# KiCad board LR312.kicad_pcb
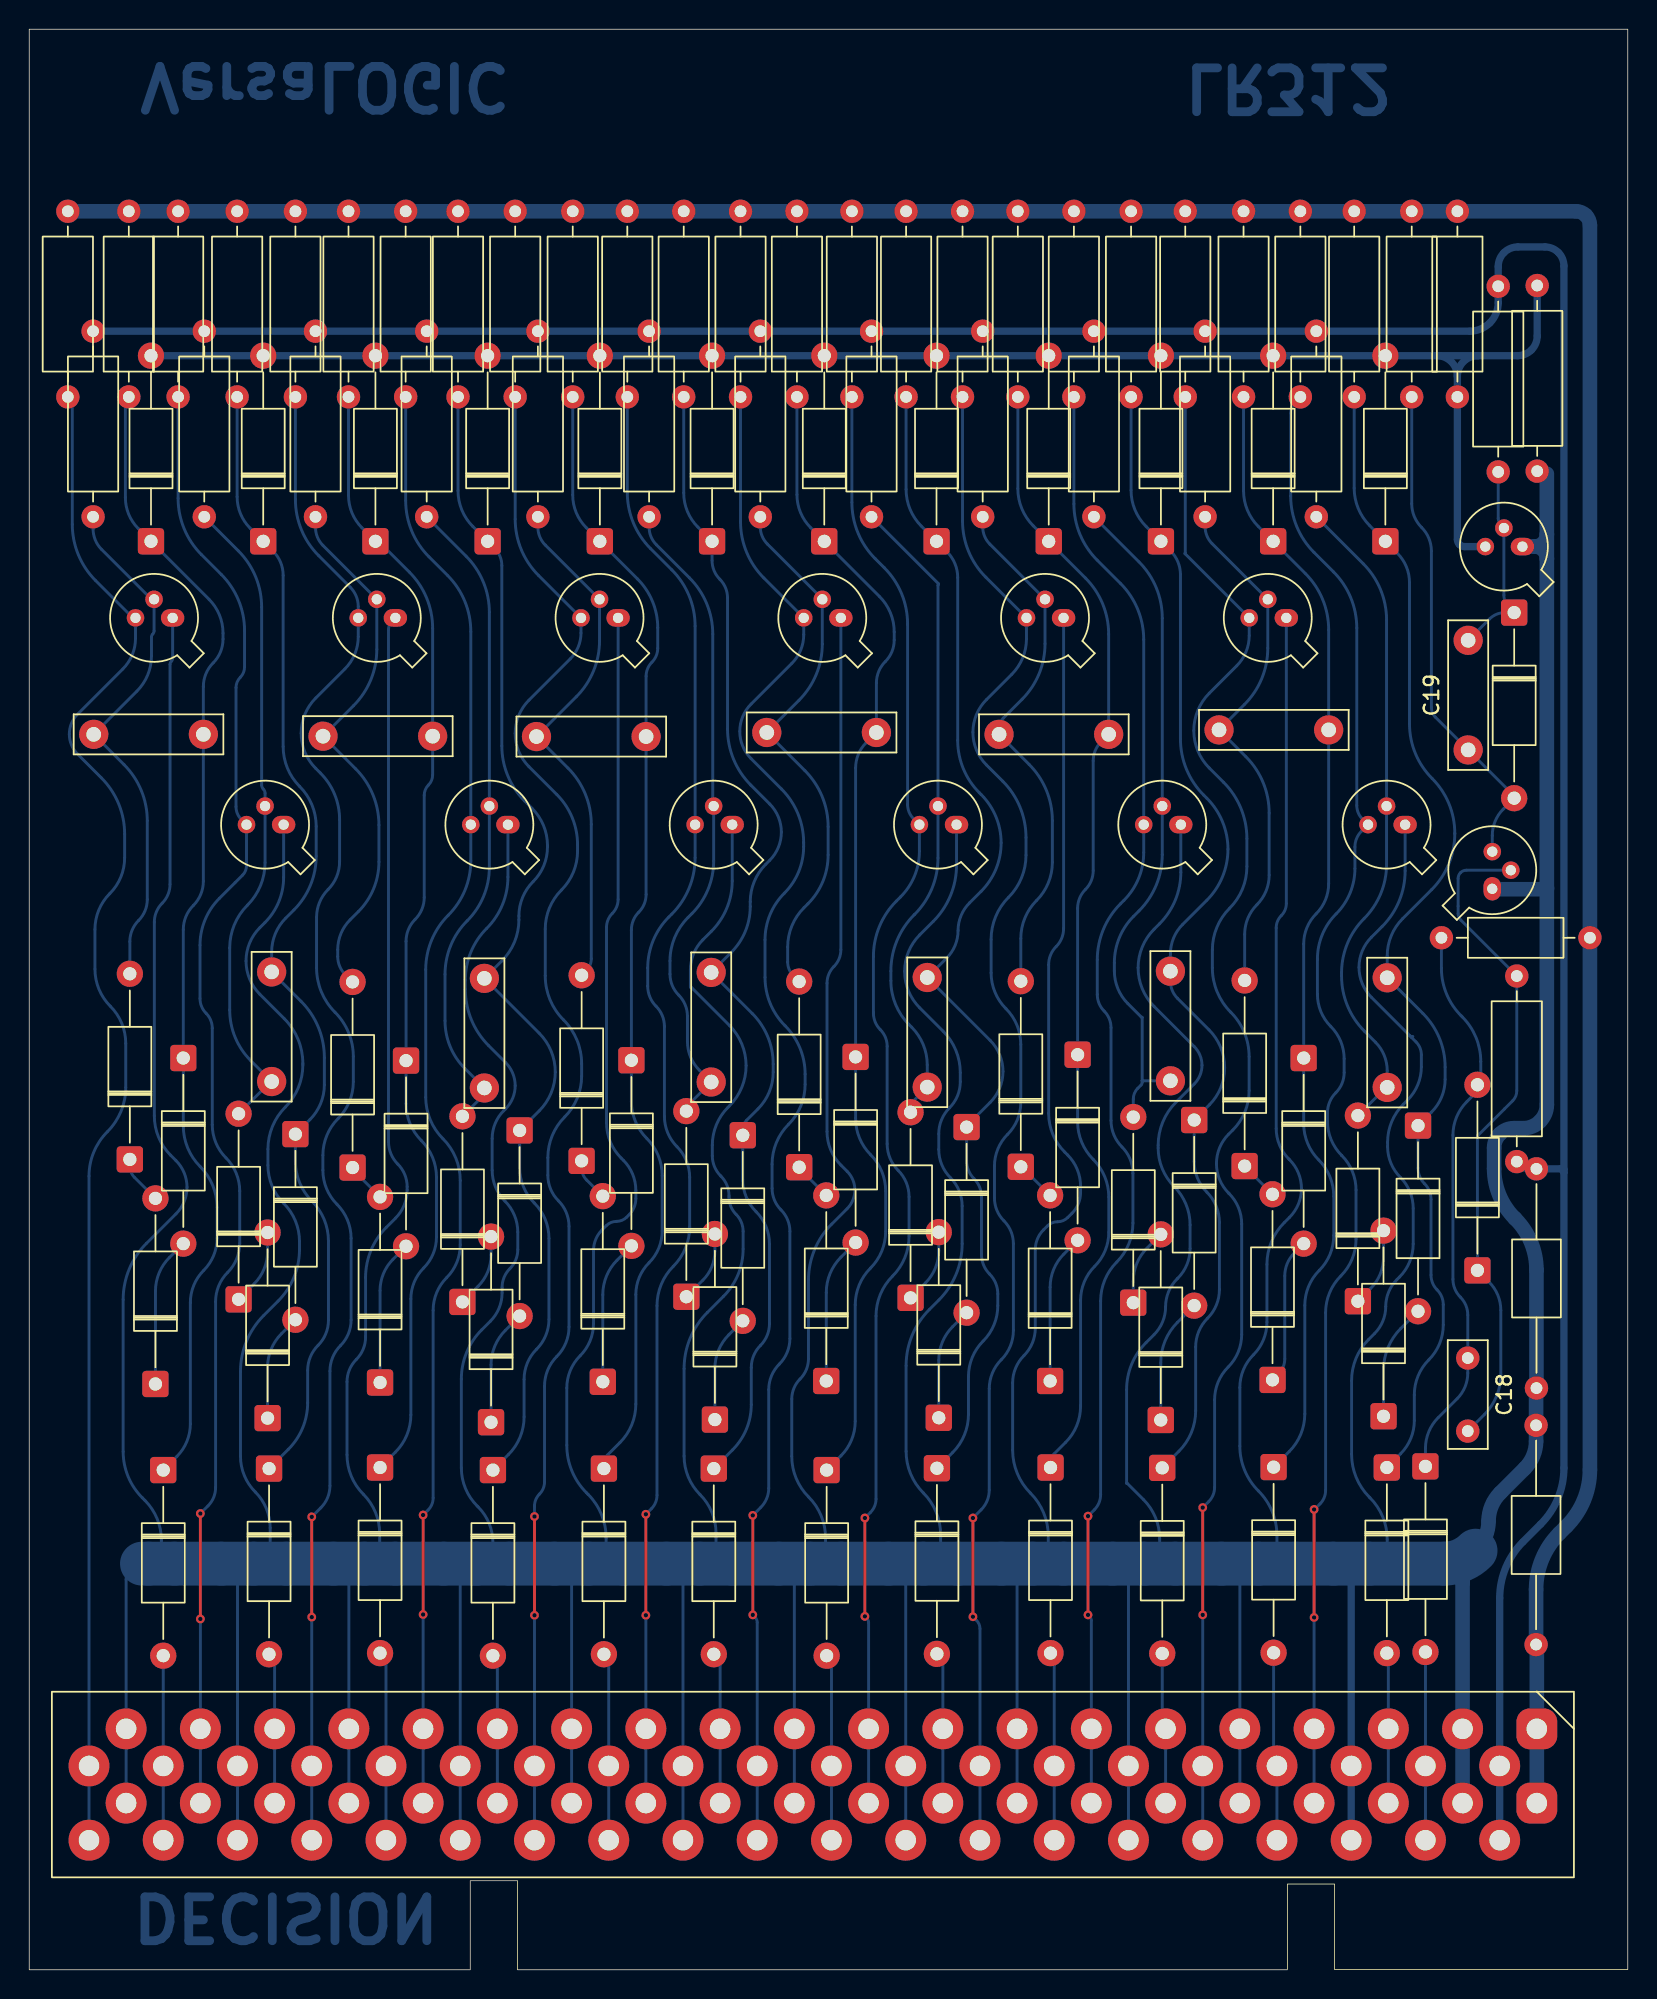
[diagram p0: board, top side]
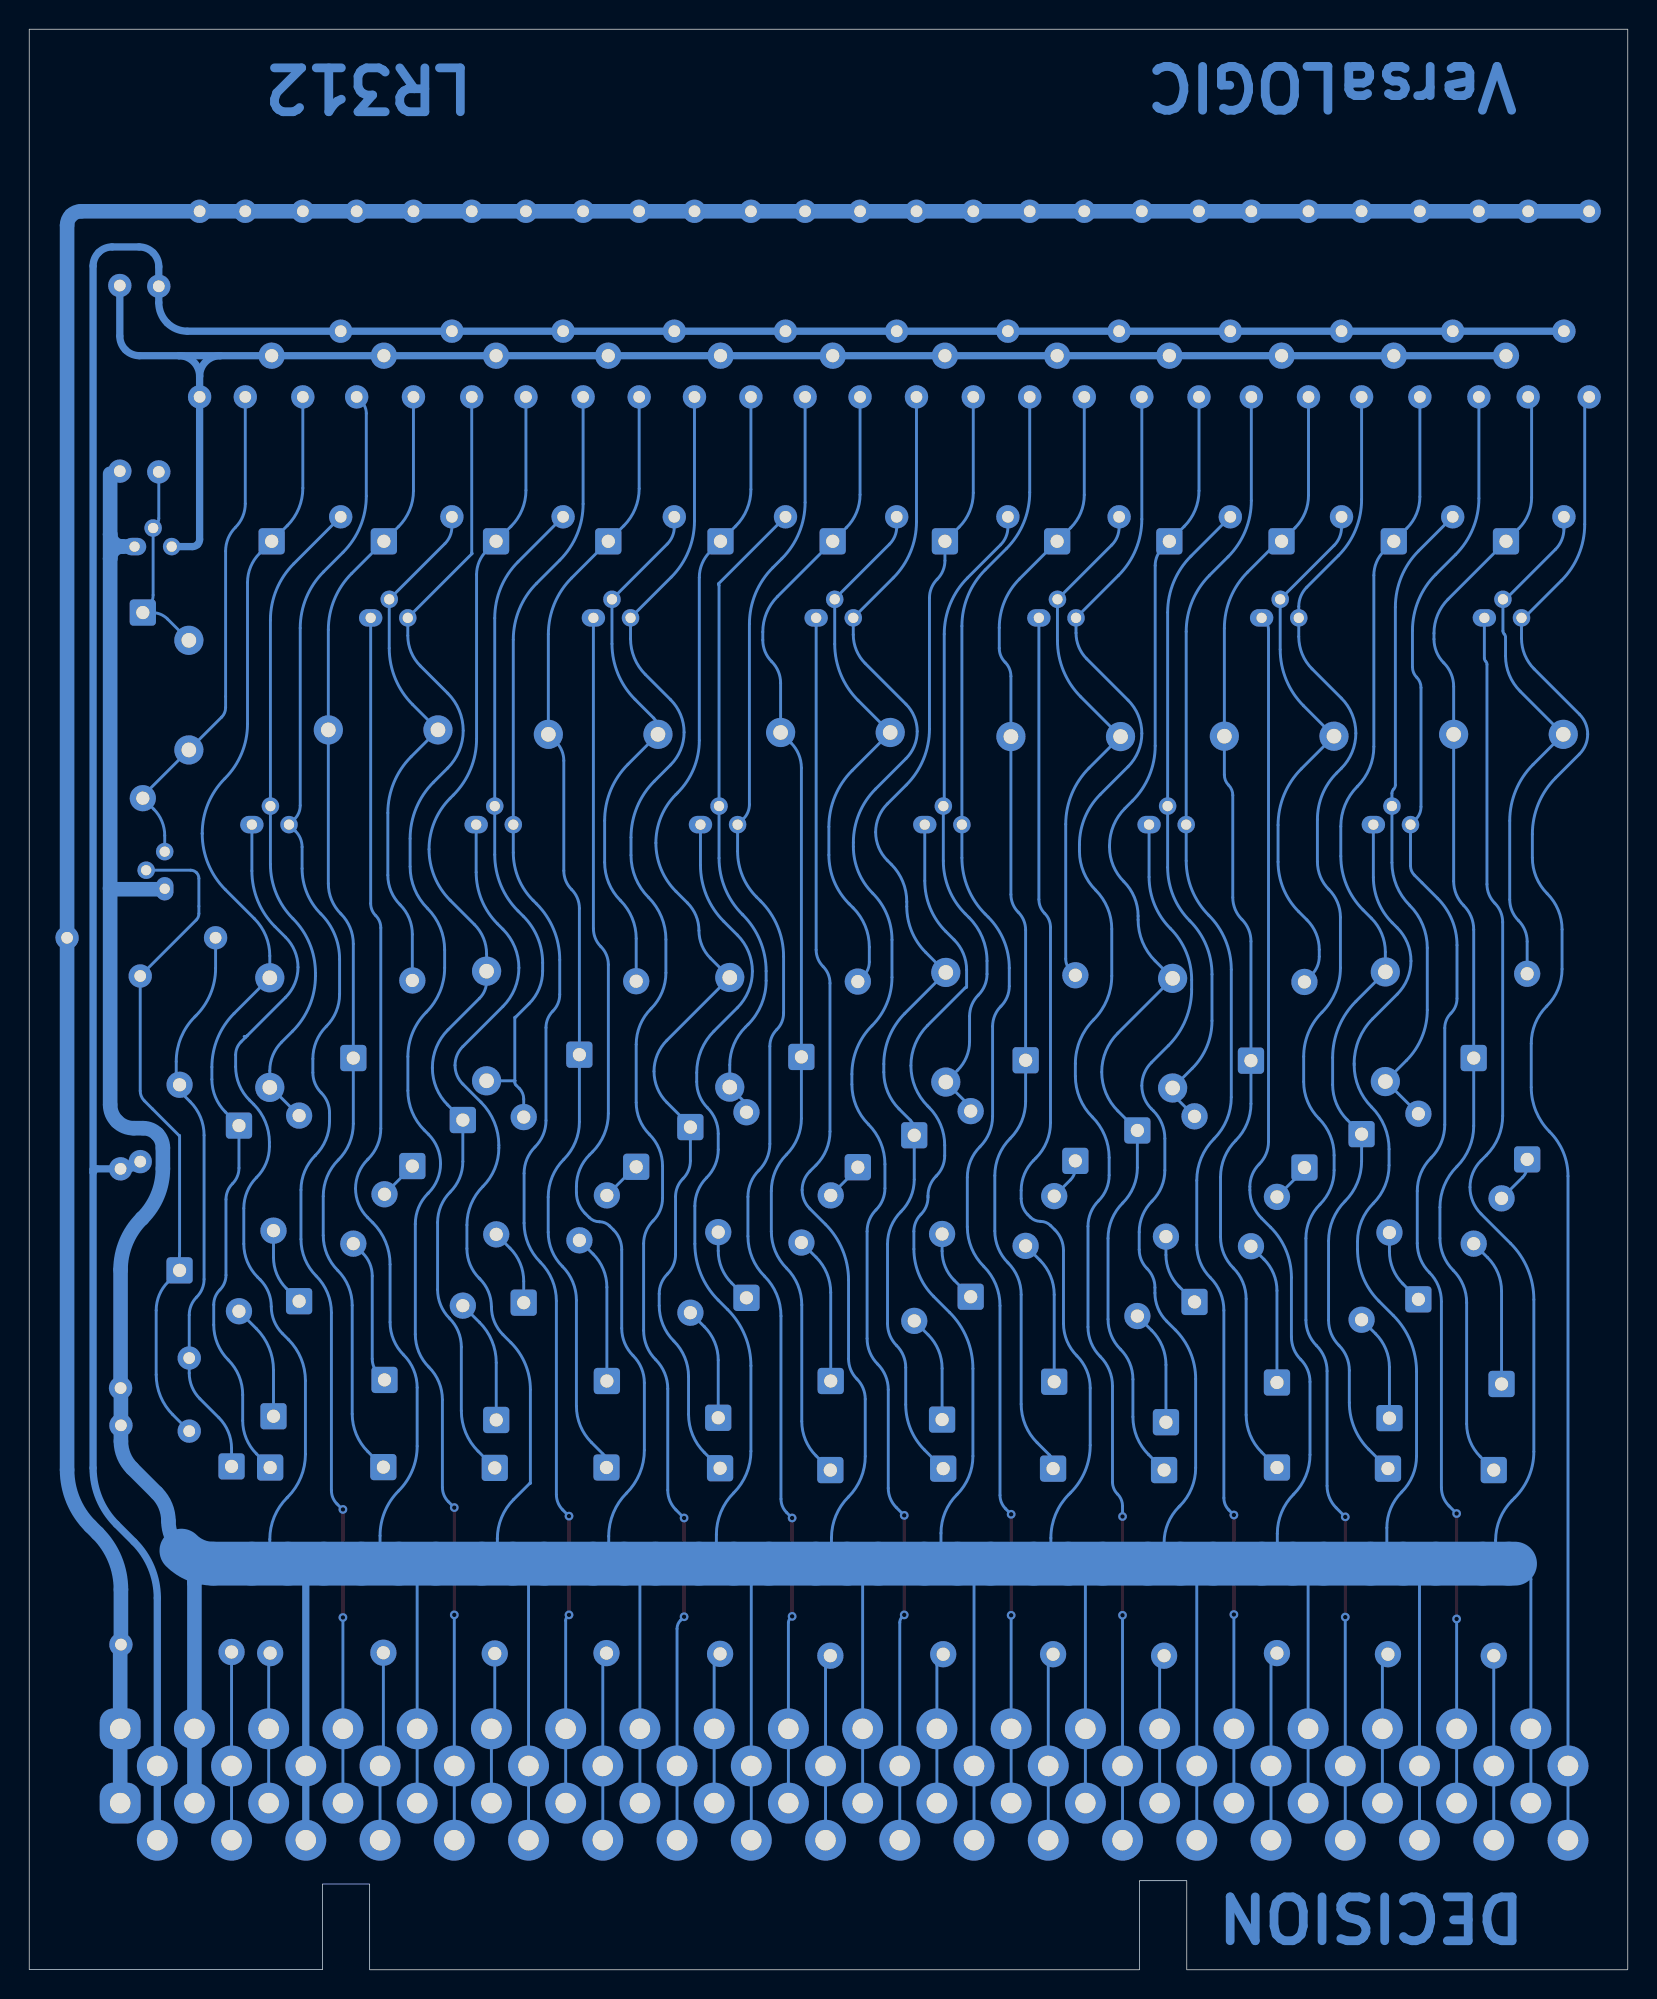
[diagram p1: board, bottom side, seen from below]

Outline 109.37 x 132.78 mm; copper layers: Top, Bottom. Coordinates in mm from the lower left corner of the outline.
Outline path: 109.37,132.78 0,132.78 0,0.01 0.01,0 30.18,0 30.18,6.1 33.4,6.1 33.4,0.01 33.42,0 86.08,0 86.08,5.87 89.31,5.87 89.31,0.02 109.37,0.01 109.37,132.77 closed
Stack: Top 0.035mm / dielectric 1.51mm FR4 er 4.5 / Bottom 0.035mm

## Placement (name value [footprint] x y rotation side)
C1  0.01 uF 100V  [C_Axial_L5.1mm_D3.1mm_P15.00mm_Horizontal]  103.1 37.25 270 top
C2  0.01 uF 100V  [C_Axial_L5.1mm_D3.1mm_P15.00mm_Horizontal]  103.12 54.8 270 top
C3  C_Small  [C_Rect_L10.0mm_W2.5mm_P7.50mm_MKS4]  20.1 84.4 0 top
C4  C_Small  [C_Rect_L10.0mm_W2.5mm_P7.50mm_MKS4]  4.41 84.53 0 top
C8  C_Small  [C_Rect_L10.0mm_W2.5mm_P7.50mm_MKS4]  16.59 60.78 90 top
C9  C_Small  [C_Rect_L10.0mm_W2.5mm_P7.50mm_MKS4]  31.14 60.33 90 top
C10  C_Small  [C_Rect_L10.0mm_W2.5mm_P7.50mm_MKS4]  34.71 84.38 0 top
C11  C_Small  [C_Rect_L10.0mm_W2.5mm_P7.50mm_MKS4]  46.66 60.74 90 top
C12  C_Small  [C_Rect_L10.0mm_W2.5mm_P7.50mm_MKS4]  50.46 84.66 0 top
C13  C_Small  [C_Rect_L10.0mm_W2.5mm_P7.50mm_MKS4]  61.44 60.39 90 top
C14  C_Small  [C_Rect_L10.0mm_W2.5mm_P7.50mm_MKS4]  66.35 84.53 0 top
C15  C_Small  [C_Rect_L10.0mm_W2.5mm_P7.50mm_MKS4]  78.08 60.83 90 top
C16  C_Small  [C_Rect_L10.0mm_W2.5mm_P7.50mm_MKS4]  81.41 84.84 0 top
C17  C_Small  [C_Rect_L10.0mm_W2.5mm_P7.50mm_MKS4]  92.91 60.38 90 top
C18  C_Small  [C_Rect_L7.2mm_W2.5mm_P5.00mm_FKS2_FKP2_MKS2_MKP2]  98.43 41.86 270 top
C19  C_Small  [C_Rect_L10.0mm_W2.5mm_P7.50mm_MKS4]  98.45 83.46 90 top
D1  1N4148WT  [D_A-405_P12.70mm_Horizontal]  6.88 55.45 90 top
D2  1N4148WT  [D_A-405_P12.70mm_Horizontal]  8.64 40.08 90 top
D3  1N4148WT  [D_A-405_P12.70mm_Horizontal]  10.54 62.38 270 top
D4  1N4148WT  [D_A-405_P12.70mm_Horizontal]  9.17 34.19 270 top
D5  1N4148WT  [D_A-405_P12.70mm_Horizontal]  8.33 97.74 90 top
D6  1N4148WT  [D_A-405_P12.70mm_Horizontal]  24 34.37 270 top
D7  1N4148WT  [D_A-405_P12.70mm_Horizontal]  23.69 97.74 90 top
D8  1N4148WT  [D_A-405_P12.70mm_Horizontal]  25.78 62.2 270 top
D9  1N4148WT  [D_A-405_P12.70mm_Horizontal]  24 40.18 90 top
D10  1N4148WT  [D_A-405_P12.70mm_Horizontal]  22.12 54.89 90 top
D11  4.5V Zener  [D_A-405_P12.70mm_Horizontal]  101.6 92.86 270 top
D13  4.5V Zener  [D_A-405_P12.70mm_Horizontal]  99.09 47.85 90 top
D14  1N4148WT  [D_A-405_P12.70mm_Horizontal]  95.53 34.44 270 top
D21  1N4148WT  [D_A-405_P12.70mm_Horizontal]  16.41 34.29 270 top
D22  1N4148WT  [D_A-405_P12.70mm_Horizontal]  16.01 97.74 90 top
D23  1N4148WT  [D_A-405_P12.70mm_Horizontal]  18.21 57.18 270 top
D24  1N4148WT  [D_A-405_P12.70mm_Horizontal]  16.31 37.74 90 top
D25  1N4148WT  [D_A-405_P12.70mm_Horizontal]  14.33 45.87 90 top
D26  1N4148WT  [D_A-405_P12.70mm_Horizontal]  31.72 34.19 270 top
D27  1N4148WT  [D_A-405_P12.70mm_Horizontal]  31.36 97.74 90 top
D28  1N4148WT  [D_A-405_P12.70mm_Horizontal]  33.55 57.43 270 top
D29  1N4148WT  [D_A-405_P12.70mm_Horizontal]  31.6 37.47 90 top
D30  1N4148WT  [D_A-405_P12.70mm_Horizontal]  29.64 45.69 90 top
D31  1N4148WT  [D_A-405_P12.70mm_Horizontal]  39.32 34.29 270 top
D32  1N4148WT  [D_A-405_P12.70mm_Horizontal]  39.04 97.74 90 top
D33  1N4148WT  [D_A-405_P12.70mm_Horizontal]  41.2 62.23 270 top
D34  1N4148WT  [D_A-405_P12.70mm_Horizontal]  39.24 40.23 90 top
D35  1N4148WT  [D_A-405_P12.70mm_Horizontal]  37.8 55.35 90 top
D36  1N4148WT  [D_A-405_P12.70mm_Horizontal]  46.84 34.29 270 top
D37  1N4148WT  [D_A-405_P12.70mm_Horizontal]  46.72 97.74 90 top
D38  1N4148WT  [D_A-405_P12.70mm_Horizontal]  48.82 57.1 270 top
D39  1N4148WT  [D_A-405_P12.70mm_Horizontal]  46.91 37.64 90 top
D40  1N4148WT  [D_A-405_P12.70mm_Horizontal]  44.96 46.05 90 top
D41  1N4148WT  [D_A-405_P12.70mm_Horizontal]  54.56 34.19 270 top
D42  1N4148WT  [D_A-405_P12.70mm_Horizontal]  54.4 97.74 90 top
D43  1N4148WT  [D_A-405_P12.70mm_Horizontal]  56.54 62.46 270 top
D44  1N4148WT  [D_A-405_P12.70mm_Horizontal]  54.53 40.28 90 top
D45  1N4148WT  [D_A-405_P12.70mm_Horizontal]  52.68 54.91 90 top
D46  1N4148WT  [D_A-405_P12.70mm_Horizontal]  62.1 34.32 270 top
D47  1N4148WT  [D_A-405_P12.70mm_Horizontal]  62.08 97.74 90 top
D48  1N4148WT  [D_A-405_P12.70mm_Horizontal]  64.14 57.66 270 top
D49  1N4148WT  [D_A-405_P12.70mm_Horizontal]  62.23 37.77 90 top
D50  1N4148WT  [D_A-405_P12.70mm_Horizontal]  60.3 45.97 90 top
D51  1N4148WT  [D_A-405_P12.70mm_Horizontal]  69.88 34.37 270 top
D52  1N4148WT  [D_A-405_P12.70mm_Horizontal]  69.75 97.74 90 top
D53  1N4148WT  [D_A-405_P12.70mm_Horizontal]  71.73 62.61 270 top
D54  1N4148WT  [D_A-405_P12.70mm_Horizontal]  69.85 40.28 90 top
D55  1N4148WT  [D_A-405_P12.70mm_Horizontal]  67.84 54.94 90 top
D56  1N4148WT  [D_A-405_P12.70mm_Horizontal]  77.52 34.34 270 top
D57  1N4148WT  [D_A-405_P12.70mm_Horizontal]  77.43 97.74 90 top
D58  1N4148WT  [D_A-405_P12.70mm_Horizontal]  79.71 58.14 270 top
D59  1N4148WT  [D_A-405_P12.70mm_Horizontal]  77.42 37.62 90 top
D60  1N4148WT  [D_A-405_P12.70mm_Horizontal]  75.54 45.64 90 top
D61  1N4148WT  [D_A-405_P12.70mm_Horizontal]  85.14 34.39 270 top
D62  1N4148WT  [D_A-405_P12.70mm_Horizontal]  85.11 97.74 90 top
D63  1N4148WT  [D_A-405_P12.70mm_Horizontal]  87.2 62.38 270 top
D64  1N4148WT  [D_A-405_P12.70mm_Horizontal]  85.06 40.36 90 top
D65  1N4148WT  [D_A-405_P12.70mm_Horizontal]  83.16 54.99 90 top
D66  1N4148WT  [D_A-405_P12.70mm_Horizontal]  92.89 34.37 270 top
D67  1N4148WT  [D_A-405_P12.70mm_Horizontal]  92.79 97.74 90 top
D68  1N4148WT  [D_A-405_P12.70mm_Horizontal]  95.02 57.76 270 top
D69  1N4148WT  [D_A-405_P12.70mm_Horizontal]  92.66 37.87 90 top
D70  1N4148WT  [D_A-405_P12.70mm_Horizontal]  90.91 45.75 90 top
J1  Conn_01x40  [ELCO 40]  103.15 16.48 0 top
Q1  PNP_EBC  [TO-18-3]  9.81 92.5 180 top
Q2  PNP_EBC  [TO-18-3]  17.41 78.35 180 top
Q3  PNP_EBC  [TO-18-3]  25.05 92.5 180 top
Q4  PNP_EBC  [TO-18-3]  32.75 78.35 180 top
Q5  PNP_EBC  [TO-18-3]  40.29 92.5 180 top
Q6  PNP_EBC  [TO-18-3]  48.1 78.35 180 top
Q7  PNP_EBC  [TO-18-3]  55.53 92.5 180 top
Q8  PNP_EBC  [TO-18-3]  63.45 78.35 180 top
Q9  PNP_EBC  [TO-18-3]  70.77 92.5 180 top
Q10  PNP_EBC  [TO-18-3]  78.79 78.35 180 top
Q11  PNP_EBC  [TO-18-3]  86.01 92.5 180 top
Q12  PNP_EBC  [TO-18-3]  94.14 78.35 180 top
Q13  PNP_EBC  [TO-18-3]  102.17 97.38 180 top
Q14  PNP_EBC  [TO-18-3]  100.1 73.96 90 top
R1  2.1k  [R_Axial_DIN0309_L9.0mm_D3.2mm_P12.70mm_Horizontal]  2.64 107.62 90 top
R2  18k  [R_Axial_DIN0309_L9.0mm_D3.2mm_P12.70mm_Horizontal]  4.37 112.12 270 top
R3  7.5k  [R_Axial_DIN0309_L9.0mm_D3.2mm_P12.70mm_Horizontal]  6.81 107.62 90 top
R4  7.5k  [R_Axial_DIN0309_L9.0mm_D3.2mm_P12.70mm_Horizontal]  21.84 107.62 90 top
R5  18k  [R_Axial_DIN0309_L9.0mm_D3.2mm_P12.70mm_Horizontal]  19.59 112.12 270 top
R6  2.1k  [R_Axial_DIN0309_L9.0mm_D3.2mm_P12.70mm_Horizontal]  18.21 107.62 90 top
R13  7.5k  [R_Axial_DIN0309_L9.0mm_D3.2mm_P12.70mm_Horizontal]  14.22 107.62 90 top
R14  18k  [R_Axial_DIN0309_L9.0mm_D3.2mm_P12.70mm_Horizontal]  11.98 112.12 270 top
R15  2.1k  [R_Axial_DIN0309_L9.0mm_D3.2mm_P12.70mm_Horizontal]  10.19 107.62 90 top
R16  7.5k  [R_Axial_DIN0309_L9.0mm_D3.2mm_P12.70mm_Horizontal]  29.34 107.62 90 top
R17  18k  [R_Axial_DIN0309_L9.0mm_D3.2mm_P12.70mm_Horizontal]  27.19 112.12 270 top
R18  2.1k  [R_Axial_DIN0309_L9.0mm_D3.2mm_P12.70mm_Horizontal]  25.76 107.62 90 top
R19  7.5k  [R_Axial_DIN0309_L9.0mm_D3.2mm_P12.70mm_Horizontal]  37.19 107.62 90 top
R20  18k  [R_Axial_DIN0309_L9.0mm_D3.2mm_P12.70mm_Horizontal]  34.8 112.12 270 top
R21  2.1k  [R_Axial_DIN0309_L9.0mm_D3.2mm_P12.70mm_Horizontal]  33.25 107.62 90 top
R22  7.5k  [R_Axial_DIN0309_L9.0mm_D3.2mm_P12.70mm_Horizontal]  44.78 107.62 90 top
R23  18k  [R_Axial_DIN0309_L9.0mm_D3.2mm_P12.70mm_Horizontal]  42.41 112.12 270 top
R24  2.1k  [R_Axial_DIN0309_L9.0mm_D3.2mm_P12.70mm_Horizontal]  40.92 107.62 90 top
R25  7.5k  [R_Axial_DIN0309_L9.0mm_D3.2mm_P12.70mm_Horizontal]  52.53 107.62 90 top
R26  18k  [R_Axial_DIN0309_L9.0mm_D3.2mm_P12.70mm_Horizontal]  50.02 112.12 270 top
R27  2.1k  [R_Axial_DIN0309_L9.0mm_D3.2mm_P12.70mm_Horizontal]  48.67 107.62 90 top
R28  7.5k  [R_Axial_DIN0309_L9.0mm_D3.2mm_P12.70mm_Horizontal]  59.99 107.62 90 top
R29  18k  [R_Axial_DIN0309_L9.0mm_D3.2mm_P12.70mm_Horizontal]  57.63 112.12 270 top
R30  2.1k  [R_Axial_DIN0309_L9.0mm_D3.2mm_P12.70mm_Horizontal]  56.29 107.62 90 top
R31  7.5k  [R_Axial_DIN0309_L9.0mm_D3.2mm_P12.70mm_Horizontal]  67.64 107.62 90 top
R32  18k  [R_Axial_DIN0309_L9.0mm_D3.2mm_P12.70mm_Horizontal]  65.24 112.12 270 top
R33  2.1k  [R_Axial_DIN0309_L9.0mm_D3.2mm_P12.70mm_Horizontal]  63.86 107.62 90 top
R34  7.5k  [R_Axial_DIN0309_L9.0mm_D3.2mm_P12.70mm_Horizontal]  75.39 107.62 90 top
R35  18k  [R_Axial_DIN0309_L9.0mm_D3.2mm_P12.70mm_Horizontal]  72.84 112.12 270 top
R36  2.1k  [R_Axial_DIN0309_L9.0mm_D3.2mm_P12.70mm_Horizontal]  71.48 107.62 90 top
R37  7.5k  [R_Axial_DIN0309_L9.0mm_D3.2mm_P12.70mm_Horizontal]  83.08 107.62 90 top
R38  18k  [R_Axial_DIN0309_L9.0mm_D3.2mm_P12.70mm_Horizontal]  80.45 112.12 270 top
R39  2.1k  [R_Axial_DIN0309_L9.0mm_D3.2mm_P12.70mm_Horizontal]  79.1 107.62 90 top
R40  7.5k  [R_Axial_DIN0309_L9.0mm_D3.2mm_P12.70mm_Horizontal]  90.65 107.62 90 top
R41  18k  [R_Axial_DIN0309_L9.0mm_D3.2mm_P12.70mm_Horizontal]  88.06 112.12 270 top
R42  2.1k  [R_Axial_DIN0309_L9.0mm_D3.2mm_P12.70mm_Horizontal]  86.97 107.62 90 top
R44  5.1k  [R_Axial_DIN0207_L6.3mm_D2.5mm_P10.16mm_Horizontal]  106.78 70.61 180 top
R45  39k  [R_Axial_DIN0309_L9.0mm_D3.2mm_P12.70mm_Horizontal]  101.78 68 270 top
R46  1.5k  [R_Axial_DIN0309_L9.0mm_D3.2mm_P12.70mm_Horizontal]  94.59 107.62 90 top
R48  39k  [R_Axial_DIN0309_L9.0mm_D3.2mm_P12.70mm_Horizontal]  100.51 115.19 270 top
R49  2k  [R_Axial_DIN0309_L9.0mm_D3.2mm_P12.70mm_Horizontal]  97.71 120.32 270 top
R50  2k  [R_Axial_DIN0309_L9.0mm_D3.2mm_P12.70mm_Horizontal]  103.17 102.54 90 top

## Library data of the parts
C1 C2 = -: Description: capacitor, small US symbol; ki_fp_filters: C_*
C3 C4 C8-C19 = -: Description: Unpolarized capacitor, small symbol; ki_fp_filters: C_*
D1-D10 D14 D21-D70 = -: Datasheet: https://www.diodes.com/assets/Datasheets/ds30396.pdf; Description: 75V 0.15A Fast switching Diode, SOD-523; Sim.Device: D; Sim.Pins: 1=K 2=A; ki_fp_filters: D*SOD?523*
D11 D13 = -: Description: Zener diode; ki_fp_filters: TO-???* *_Diode_* *SingleDiode* D_*
J1 = -: Description: Generic connector, single row, 01x40, script generated (kicad-library-utils/schlib/autogen/connector/); ki_fp_filters: Connector*:*_1x??_*
Q1 Q3-Q5 = -: Description: PNP transistor, generic symbol, Alternate KiCAD Library
Q2 Q6-Q14 = -: Description: PNP transistor, generic symbol, Alternate KiCAD Library; Sim.Device: PNP; Sim.Type: GUMMELPOON; Sim.Pins: 1=C 2=B 3=E
R1-R6 R13-R42 R44-R46 R48-R50 = -: Description: Resistor; ki_fp_filters: R_*

## Footprints (pads in the part's own frame, mm; a bottom-side part is the same pattern mirrored in y, then rotated)
C_Axial_L5.1mm_D3.1mm_P15.00mm_Horizontal
  round 1.6 hole 0.8: 1(0,0) 2(15,0)
C_Rect_L7.2mm_W2.5mm_P5.00mm_FKS2_FKP2_MKS2_MKP2
  round 1.6 hole 0.8: 1(0,0) 2(5,0)
C_Rect_L10.0mm_W2.5mm_P7.50mm_MKS4
  round 2 hole 1: 1(0,0) 2(7.5,0)
D_A-405_P12.70mm_Horizontal
  rrect 1.8x1.8 hole 0.9: 1(0,0)
  round 1.8 hole 0.9: 2(12.7,0)
ELCO 40
  rrect 2.8x2.8 hole 1.4: 1(0,0) 1(0,-5.08)
  round 2.8 hole 1.4: 2(-2.54,-2.54) 2(-2.54,-7.62) 3(-5.08,0) 3(-5.08,-5.08) 4(-7.62,-2.54) 4(-7.62,-7.62) 5(-10.16,0) 5(-10.16,-5.08) 6(-12.7,-2.54) 6(-12.7,-7.62) 7(-15.24,0) 7(-15.24,-5.08) 8(-17.78,-2.54) 8(-17.78,-7.62) 9(-20.32,0) 9(-20.32,-5.08) 10(-22.86,-2.54) 10(-22.86,-7.62) 11(-25.4,0) 11(-25.4,-5.08) 12(-27.94,-2.54) 12(-27.94,-7.62) 13(-30.48,0) 13(-30.48,-5.08) 14(-33.02,-2.54) 14(-33.02,-7.62) 15(-35.56,0) 15(-35.56,-5.08) 16(-38.1,-2.54) 16(-38.1,-7.62) 17(-40.64,0) 17(-40.64,-5.08) 18(-43.18,-2.54) 18(-43.18,-7.62) 19(-45.72,0) 19(-45.72,-5.08) 20(-48.26,-2.54) 20(-48.26,-7.62) 21(-50.8,0) 21(-50.8,-5.08) 22(-53.34,-2.54) 22(-53.34,-7.62) 23(-55.88,0) 23(-55.88,-5.08) 24(-58.42,-2.54) 24(-58.42,-7.62) 25(-60.96,0) 25(-60.96,-5.08) 26(-63.5,-2.54) 26(-63.5,-7.62) 27(-66.04,0) 27(-66.04,-5.08) 28(-68.58,-2.54) 28(-68.58,-7.62) 29(-71.12,0) 29(-71.12,-5.08) 30(-73.66,-2.54) 30(-73.66,-7.62) 31(-76.2,0) 31(-76.2,-5.08) 32(-78.74,-2.54) 32(-78.74,-7.62) 33(-81.28,0) 33(-81.28,-5.08) 34(-83.82,-2.54) 34(-83.82,-7.62) 35(-86.36,0) 35(-86.36,-5.08) 36(-88.9,-2.54) 36(-88.9,-7.62) 37(-91.44,0) 37(-91.44,-5.08) 38(-93.98,-2.54) 38(-93.98,-7.62) 39(-96.52,0) 39(-96.52,-5.08) 40(-99.06,-2.54) 40(-99.06,-7.62)
R_Axial_DIN0207_L6.3mm_D2.5mm_P10.16mm_Horizontal
  round 1.6 hole 0.8: 1(0,0) 2(10.16,0)
R_Axial_DIN0309_L9.0mm_D3.2mm_P12.70mm_Horizontal
  round 1.6 hole 0.8: 1(0,0) 2(12.7,0)
TO-18-3
  oval 1.6x1.2 hole 0.7: 1(0,0)
  round 1.2 hole 0.7: 2(1.27,-1.27) 3(2.54,0)

## Nets
+6V: C2.1 J1.2 R2.1 R5.1 R14.1 R17.1 R20.1 R23.1 R26.1 R29.1 R32.1 R35.1 R38.1 R41.1 R45.2 R48.1
-12V: C1.2 J1.1 R1.2 R3.2 R4.2 R6.2 R13.2 R15.2 R16.2 R18.2 R19.2 R21.2 R22.2 R24.2 R25.2 R27.2 R28.2 R30.2 R31.2 R33.2 R34.2 R36.2 R37.2 R39.2 R40.2 R42.2 R44.1 R46.2 R49.1
GND: C1.1 C2.2 J1.3 J1.6 J1.9 J1.12 J1.15 J1.18 J1.21 J1.24 J1.27 J1.30 J1.33 J1.36 J1.39 Q1.1 Q2.1 Q3.1 Q4.1 Q5.1 Q6.1 Q7.1 Q8.1 Q9.1 Q10.1 Q11.1 Q12.1 Q13.1 Q14.1 R50.1
EN_BUS: D5.2 D7.2 D22.2 D27.2 D32.2 D37.2 D42.2 D47.2 D52.2 D57.2 D62.2 D67.2 Q13.3 R49.2 R50.2
J1-4: D14.2 J1.4
J1-5: D66.2 J1.5
J1-7: J1.7 Q12.3 R42.1
J1-8: D61.2 J1.8
J1-10: J1.10 Q11.3 R39.1
J1-11: D56.2 J1.11
J1-13: J1.13 Q10.3 R36.1
J1-14: D51.2 J1.14
J1-16: J1.16 Q9.3 R33.1
J1-17: D46.2 J1.17
J1-19: J1.19 Q8.3 R30.1
J1-20: D41.2 J1.20
J1-22: J1.22 Q7.3 R27.1
J1-23: D36.2 J1.23
J1-25: J1.25 Q6.3 R24.1
J1-26: D31.2 J1.26
J1-28: J1.28 Q5.3 R21.1
J1-29: D26.2 J1.29
J1-31: J1.31 Q4.3 R18.1
J1-32: D6.2 J1.32
J1-34: J1.34 Q3.3 R6.1
J1-35: D21.2 J1.35
J1-37: J1.37 Q2.3 R15.1
J1-38: D4.2 J1.38
J1-40: J1.40 Q1.3 R1.1
Net-(D1-A): C4.1 D1.2 Q1.2 R2.2
Net-(D1-K): D1.1 D2.2
Net-(D2-K): D2.1 D3.2
Net-(D3-K): C4.2 D3.1 D4.1 D5.1 R3.1
Net-(D6-K): C3.2 D6.1 D7.1 D8.1 R4.1
Net-(D8-A): D8.2 D9.1
Net-(D10-A): C3.1 D10.2 Q3.2 R5.2
Net-(D10-K): D9.2 D10.1
Net-(D11-A): C19.1 D11.2 Q14.3 R46.1
Net-(D11-K): C19.2 D11.1 Q13.2 R48.2
Net-(D13-A): C18.1 D13.2 D14.1 R44.2
Net-(D13-K): C18.2 D13.1 Q14.2 R45.1
Net-(D21-K): C8.2 D21.1 D22.1 D23.1 R13.1
Net-(D23-A): D23.2 D24.1
Net-(D24-A): D24.2 D25.1
Net-(D25-A): C8.1 D25.2 Q2.2 R14.2
Net-(D26-K): C9.2 D26.1 D27.1 D28.1 R16.1
Net-(D28-A): D28.2 D29.1
Net-(D29-A): D29.2 D30.1
Net-(D30-A): C9.1 D30.2 Q4.2 R17.2
Net-(D31-K): C10.2 D31.1 D32.1 D33.1 R19.1
Net-(D33-A): D33.2 D34.1
Net-(D34-A): D34.2 D35.1
Net-(D35-A): C10.1 D35.2 Q5.2 R20.2
Net-(D36-K): C11.2 D36.1 D37.1 D38.1 R22.1
Net-(D38-A): D38.2 D39.1
Net-(D39-A): D39.2 D40.1
Net-(D40-A): C11.1 D40.2 Q6.2 R23.2
Net-(D41-K): C12.2 D41.1 D42.1 D43.1 R25.1
Net-(D43-A): D43.2 D44.1
Net-(D44-A): D44.2 D45.1
Net-(D45-A): C12.1 D45.2 Q7.2 R26.2
Net-(D46-K): C13.2 D46.1 D47.1 D48.1 R28.1
Net-(D48-A): D48.2 D49.1
Net-(D49-A): D49.2 D50.1
Net-(D50-A): C13.1 D50.2 Q8.2 R29.2
Net-(D51-K): C14.2 D51.1 D52.1 D53.1 R31.1
Net-(D53-A): D53.2 D54.1
Net-(D54-A): D54.2 D55.1
Net-(D55-A): C14.1 D55.2 Q9.2 R32.2
Net-(D56-K): C15.2 D56.1 D57.1 D58.1 R34.1
Net-(D58-A): D58.2 D59.1
Net-(D59-A): D59.2 D60.1
Net-(D60-A): C15.1 D60.2 Q10.2 R35.2
Net-(D61-K): C16.2 D61.1 D62.1 D63.1 R37.1
Net-(D63-A): D63.2 D64.1
Net-(D64-A): D64.2 D65.1
Net-(D65-A): C16.1 D65.2 Q11.2 R38.2
Net-(D66-K): C17.2 D66.1 D67.1 D68.1 R40.1
Net-(D68-A): D68.2 D69.1
Net-(D69-A): D69.2 D70.1
Net-(D70-A): C17.1 D70.2 Q12.2 R41.2

## Via types
v1: diameter 0.6, hole 0.3, Top to Bottom, 22 vias
